# Altium PCB AD-FMComms3_revA.PcbDoc (part 2 of 5)
Units mil, origin at the board's own origin, x right, y up, seen from the top; angles counter-clockwise.
Board outline 3311.81 x 2716.54 mil, 10 copper layers (TOP, L2_GND, L3_PWR, L4_GND, L5_SIG, L6_SIG, L7_GND, L8_PWR, L9_GND, BOTTOM), stack 60.05 mil thick; 211 components, 138 nets, 808 pads, 812 vias.
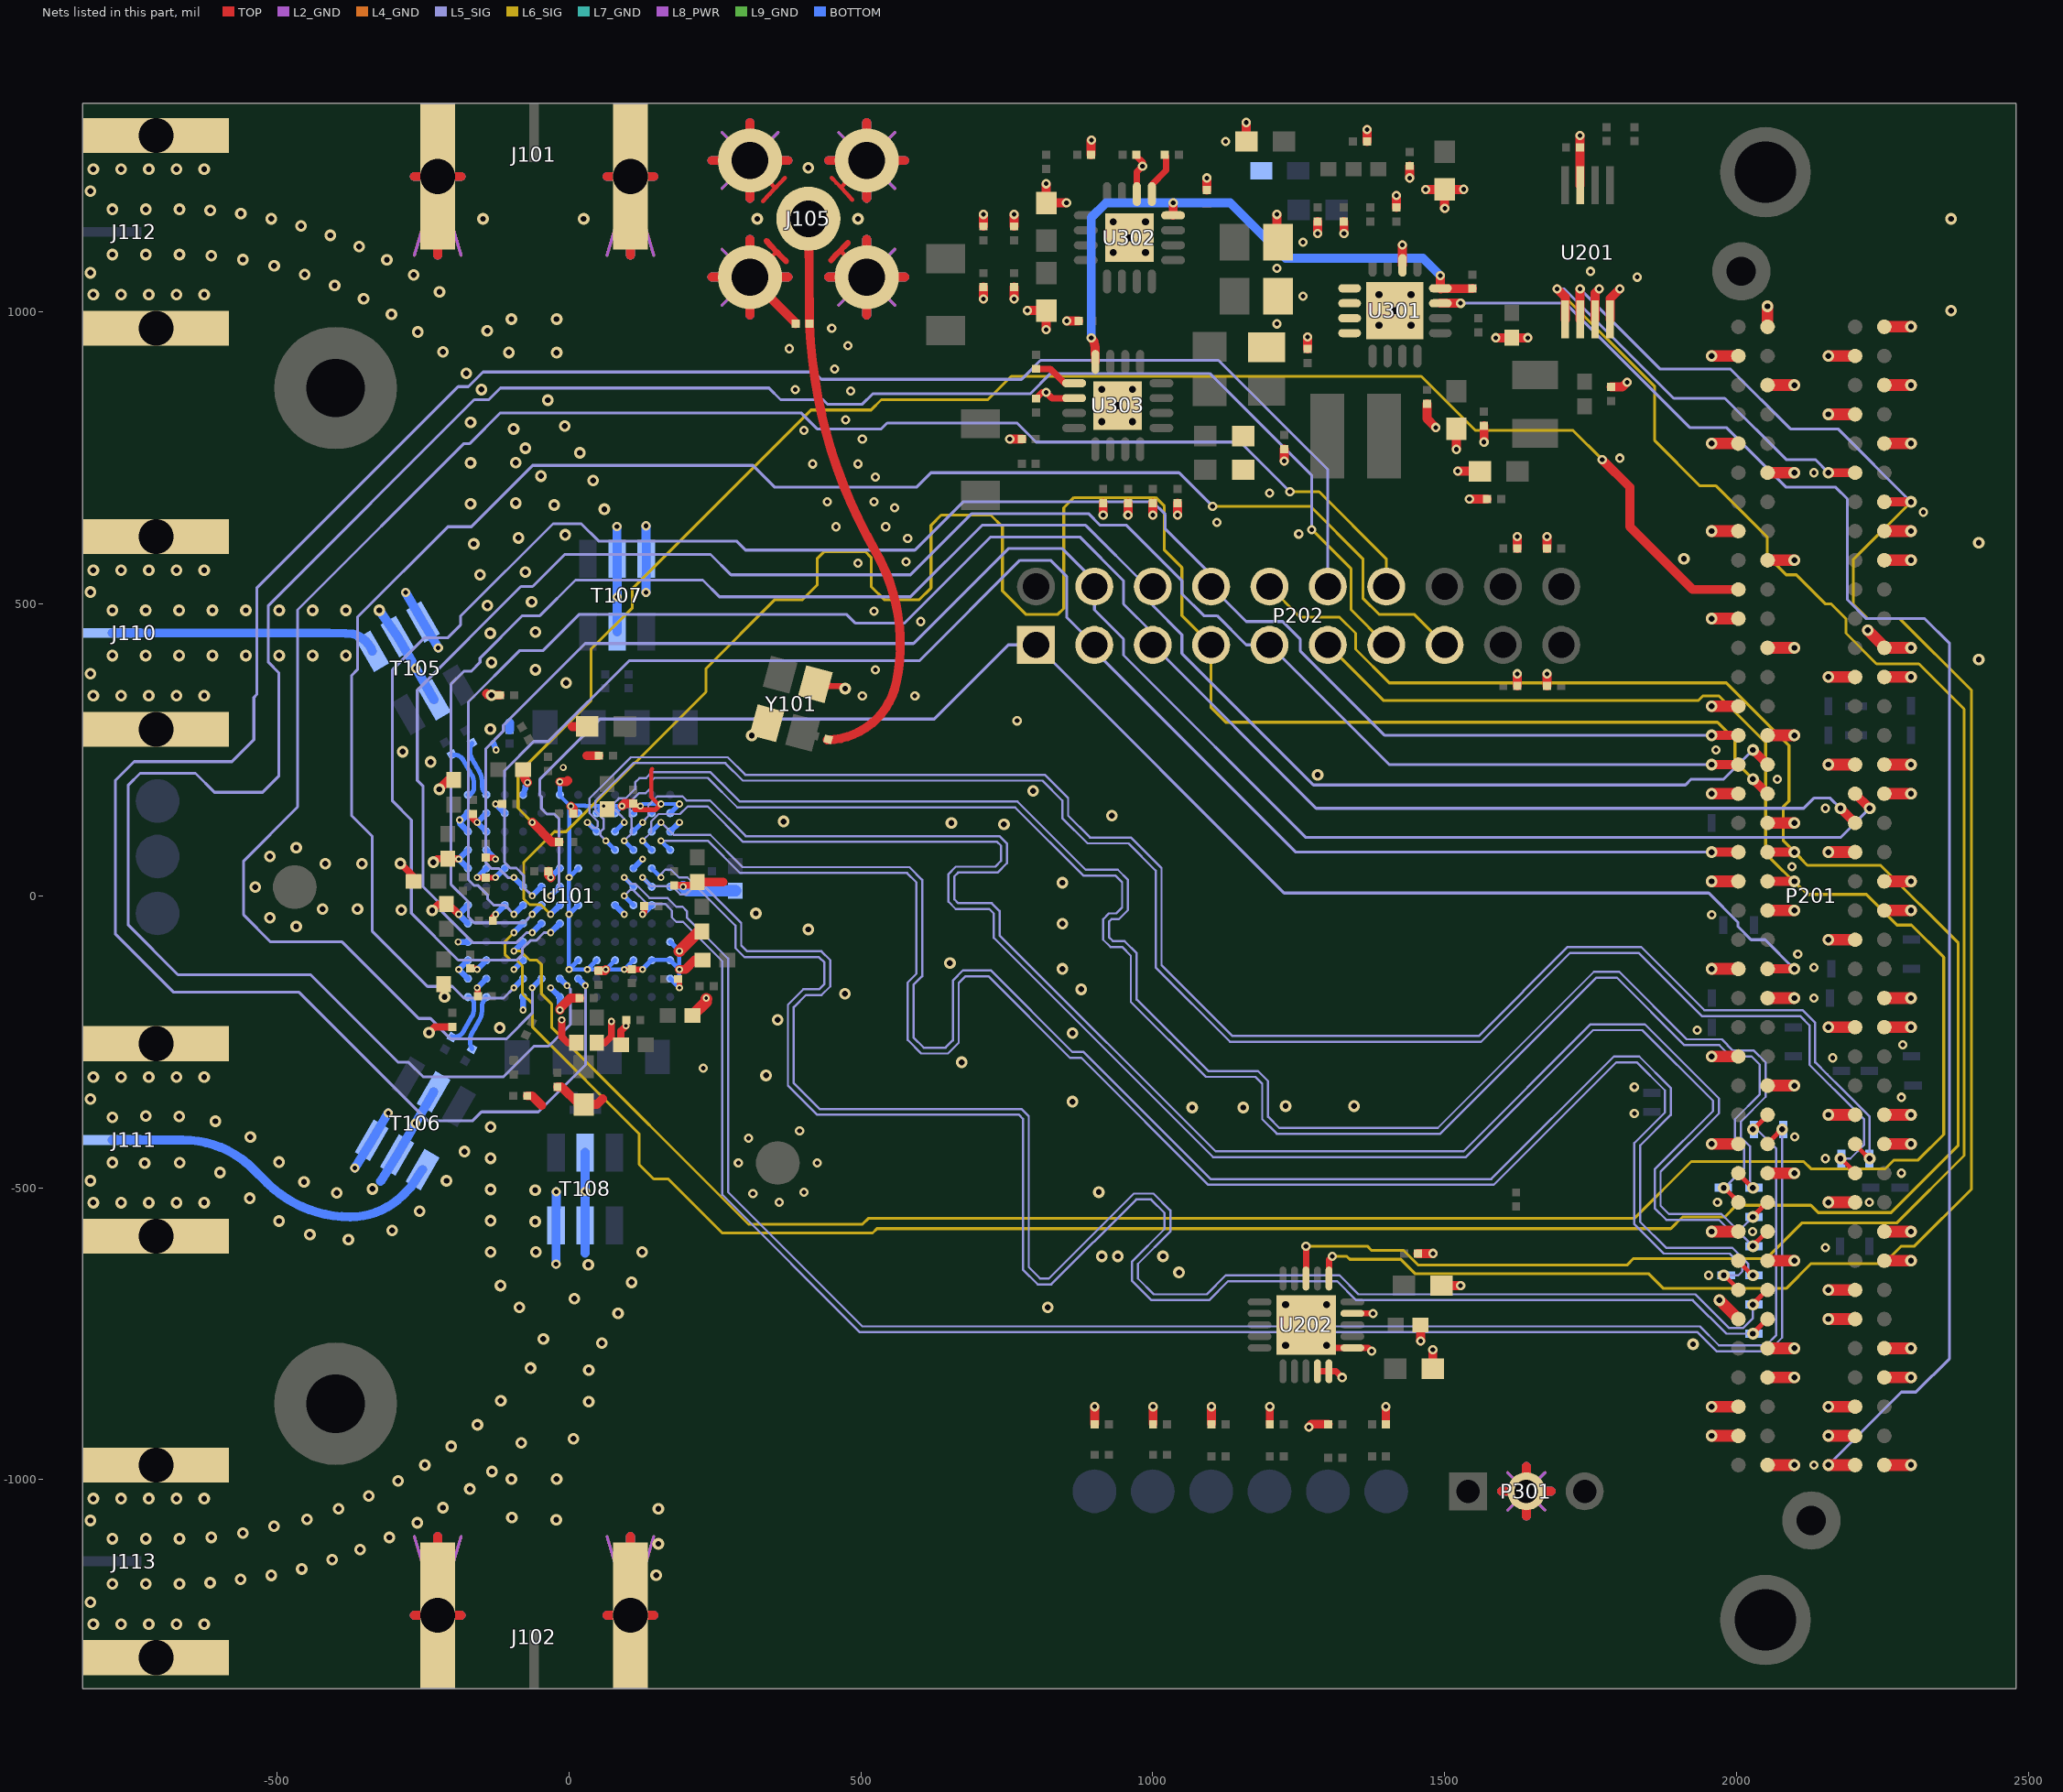
[diagram p10: the nets of this part, all layers, seen from the top]

## Via types
v1: diameter 20, hole 10, TOP to BOTTOM, 458 vias
v2: diameter 16, hole 8, TOP to BOTTOM, 196 vias
v3: diameter 12, hole 6, TOP to BOTTOM, 135 vias
v4: diameter 28, hole 12, TOP to BOTTOM, 19 vias
v5: diameter 210, hole 160, TOP to BOTTOM, 2 vias
v6: diameter 155, hole 105, TOP to BOTTOM, 2 vias

## Nets (pads, with @x,y where several pads share a name; then routed paths per layer and width w, separated by ;. In a path a pad name is that pad's centre, name@x,y a point inside that pad or via, vN(x,y) a via of type N, cw(c..) or ccw(c..) an arc to the next point about the centre after c; other vN are vias at no path point) (continued)
CTRL_OUT0: P201.G21 P202.11 U101.D4 | length 4533.9
  TOP w15.5: P201.G21@2053.27,25 v1(2099.09,25)
  L6_SIG w4.9: v3(-94.49,-94.49) -83.01,-94.49 -67.5,-110 -55,-110 -47.5,-117.5 -47.5,-167.5 -30,-185 -30,-225 307.5,-562.5 502.5,-562.5 512.5,-552.5 1825,-552.5 1922.5,-455 2115,-455 2127.5,-467.5 2255,-467.5 2270,-452.5 2311.25,-452.5 2355,-408.75 2355,-105 2299.89,-49.89 2275.1,-49.89 2222.71,2.5 2121.59,2.5 2113.29,10.8 ; P202.11@1300,430 1395,335 1935,335 1942.5,342.5 1970,342.5 2050,262.5 2050,72.5 2111.7,10.8 2113.29,10.8 ; v1(2099.09,25) 2113.29,10.8
CTRL_OUT1: P201.G22 P202.10 U101.E4 | length 4852
  TOP w15.5: P201.G22@2053.27,75 v1(2099.09,75)
  L6_SIG w4.9: v3(-94.49,-62.99) -110,-78.5 -110,-100 -100,-110 -90,-110 -80,-120 -80,-167.5 -62.5,-185 -62.5,-225 120,-407.5 120,-460 145,-485 170,-485 262.5,-577.5 520,-577.5 527.5,-570 1887.5,-570 1907.5,-550 1980,-550 2000,-530 2127.5,-530 2140,-542.5 2265,-542.5 2380,-427.5 2380,-80.72 2246.78,52.5 2121.59,52.5 2109.54,64.55 ; P202.10@1200,530 1252.5,477.5 1320,477.5 1347.5,450 1347.5,422.5 1405,365 1982.5,365 2090,257.5 2090,162.5 2080,152.5 2080,95 2109.54,65.46 2109.54,64.55 ; v1(2099.09,75) 2109.54,64.55
CTRL_OUT2: P201.H25 P202.9 U101.E5 | length 3189.8
  TOP w15.5: v1(1957.45,225) P201.H25@2003.27,225
  L5_SIG w4.9: v3(-62.99,-62.99) -72.99,-62.99 -90,-80 -165,-80 -217.06,-27.94 -217.06,-17.5 -250,15.44 -250,187.66 -260,197.66 -260,352.5 -82.5,530 -62.5,530 -7.5,585 242.5,585 277.5,550 585,550 690,655 890,655 910,635 955,635 1050,540 1050,517.5 1087.5,480 1110.04,480 1160.04,430 P202.9@1200,430 1405,225 v1(1957.45,225)
CTRL_OUT3: P201.H26 P202.8 U101.E6 | length 3402.6
  TOP w15.5: v1(1957.45,275) P201.H26@2003.27,275
  L5_SIG w4.9: v3(-31.5,-62.99) -42.99,-62.99 -56.44,-76.44 -66.44,-76.44 -80,-90 -80,-100 -90,-110 -189.93,-110 -270.13,-29.8 -270.13,130.13 -302.5,162.5 -302.5,387.5 -248,442 -208,442 -186,464 -186,479 -27.5,637.5 21,637.5 50.5,608 287,608 302.5,592.5 592.5,592.5 675,675 1000,675 1021.54,653.46 1021.54,628.46 1100,550 P202.8@1100,530 1160,470 1222.5,470 1252.5,440 1252.5,420 1397.5,275 v1(1957.45,275)
CTRL_OUT4: P201.G24 P202.7 U101.F6 | length 3435.1
  TOP w15.5: v1(2028.27,200) P201.G24@2053.27,175
  L6_SIG w4.9: v3(-31.5,-31.5) -48,-15 -67.5,-15 -77.5,-5 -77.5,57.5 -25,110 -5,110 234.5,349.5 234.5,389.5 352.5,507.5 400,507.5 425,532.5 425,577.5 437.5,590 507.5,590 517.5,580 517.5,530 540,507.5 600,507.5 620,527.5 620,635 637.5,652.5 722.5,652.5 742.5,632.5 742.5,522.5 782.5,482.5 837.5,482.5 847.5,492.5 847.5,665 865,682.5 1005,682.5 1020,667.5 1020,592.5 1050,562.5 1050,480 P202.7@1100,430 1100,322.5 1125,297.5 1967.5,297.5 1997.5,267.5 1997.5,230.77 v1(2028.27,200)
  BOTTOM w10: v3(-31.5,-31.5) U101.F6@-15.75,-15.75
CTRL_OUT5: P201.G25 P202.6 U101.F5 | length 3184.6
  TOP w15.5: v1(2028.27,250) P201.G25@2053.27,225
  L5_SIG w4.9: v3(-62.99,-31.5) -77.49,-46 -162.5,-46 -172.5,-36 -172.5,-10 -202.5,20 -202.5,362.5 -180,385 -167.5,385 -152.5,400 -152.5,407.5 -80,480 -50,480 11,541 229,541 257.5,512.5 585,512.5 707.5,635 885,635 990,530 P202.6@1000,530 1000,497.5 1050,447.5 1050,415.32 1275.27,190.05 1912.5,190.05 1922.45,200 1978.27,200 v1(2028.27,250)
CTRL_OUT6: P201.D23 P202.5 U101.F4 | length 3169.1
  TOP w15.5: v1(2178.27,150) P201.D23@2203.27,125
  L5_SIG w4.9: -170.93,25.92 -163.06,18.05 -156.5,18.05 -139.44,0.99 -139.44,-5.58 -131.57,-13.45 -129.28,-15.72 -110.27,-15.72 v3(-94.49,-31.5) ; -170.93,25.93 -172.5,27.5 -172.5,332.5 -85,420 -45,420 17.5,482.5 475,482.5 490,467.5 575,467.5 722.5,615 875,615 950,540 950,500 1000,450 P202.5@1000,430 1280,150 2115,150 2132.5,167.5 2160.77,167.5 v1(2178.27,150)
CTRL_OUT7: P201.D24 P202.4 U101.G4 | length 3101.5
  TOP w15.5: P201.D24@2203.27,175 v1(2228.27,150)
  L5_SIG w4.9: v3(-94.49,31.5) -104.72,31.5 -120,46.78 -132.5,46.78 -142.5,56.78 -142.5,252.5 -112.5,282.5 -112.5,292.5 27.5,432.5 590,432.5 752.5,595 845,595 900,540 P202.4@900,530 900,490 950,440 950,412.5 1262.5,100 2178.27,100 v1(2228.27,150)
  BOTTOM w10: v3(-94.49,31.5) U101.G4@-78.74,15.75
DATA_CLK_N: P201.G7 TP213.1 U101.H11 | length 2989.6
  TOP w8: v1(2028.27,-700) 2032.27,-693.54 2033.91,-693.54 2052.45,-675 P201.G7@2053.27,-675
  L5_SIG w3.8: v3(157.47,31.5) 157.47,37.47 165,45 175,45 188.5,31.5 202.78,31.5 212.5,21.78 226.65,21.78 295,-46.57 295,-85 305,-95 432.5,-95 447.5,-110 447.5,-155 432.5,-170 405.5,-170 385,-190.5 385,-320.85 429.15,-365 775,-365 787.5,-377.5 787.5,-635.85 807.07,-655.42 822.08,-655.42 967.5,-510 1001.2,-510 1030,-538.8 1030,-575 974.57,-630.43 974.57,-655.42 1001.65,-682.5 1092.5,-682.5 1125,-650 1320,-650 1352.5,-682.5 1929.28,-682.5 1986.78,-740 2011.83,-740 2028.27,-723.56 v1(2028.27,-700)
  BOTTOM w8: U101.H11@141.73,47.24 v3(157.47,31.5)
DATA_CLK_P: P201.G6 TP212.1 U101.G11 | length 2987.6
  TOP w8: v1(2028.27,-750) 2032.27,-743.54 2033.91,-743.54 2052.45,-725 P201.G6@2053.27,-725
  L5_SIG w3.8: v3(125.99,31.49) 140.69,16.78 176.22,16.78 190.15,2.85 200.85,2.85 209.78,11.78 222.5,11.78 285,-50.72 285,-89.15 300.85,-105 428.35,-105 437.5,-114.15 437.5,-150.85 428.35,-160 401.35,-160 375,-186.35 375,-325 425,-375 770.85,-375 777.5,-381.65 777.5,-640 802.92,-665.42 826.23,-665.42 971.65,-520 997.05,-520 1020,-542.95 1020,-570.85 964.57,-626.28 964.57,-659.57 997.5,-692.5 1096.65,-692.5 1129.15,-660 1315.85,-660 1348.35,-692.5 1925.13,-692.5 1982.63,-750 v1(2028.27,-750)
  BOTTOM w8: v3(125.99,31.49) U101.G11@141.73,15.75
EN_AGC: P201.H22 P202.3 U101.G5 | length 2779.5
  TOP w15.5: v1(1957.45,75) P201.H22@2003.27,75
  L5_SIG w4.9: v3(-62.99,0) -77.5,14.51 -77.5,35 -90.25,47.75 -100.5,47.75 -110.5,57.75 -110.5,214.5 -60.5,264.5 -35.5,264.5 102.95,402.95 600.45,402.95 772.5,575 825,575 852.5,547.5 852.5,477.5 P202.3@900,430 900,420 1245,75 v1(1957.45,75)
  BOTTOM w10: v3(-62.99,0) U101.G5@-47.24,15.75
ENABLE: P201.G18 P202.1 U101.G6 | length 2773.3
  TOP w15.5: P201.G18@2053.27,-125 v1(2099.09,-125)
  L5_SIG w4.9: v3(-31.5,0) -17.5,14 -17.5,132.5 -25,140 -37.5,140 -47.5,150 -47.5,170 -50,172.5 -50,200 53,303 625.5,303 752.5,430 P202.1@800,430 1225,5 1952.5,5 2002.5,-45 2002.5,-52.5 2025,-75 2049.09,-75 v1(2099.09,-125)
  BOTTOM w10: v3(-31.5,0) U101.G6@-15.75,15.75
FB_CLK_N: P201.G13 TP217.1 U101.G10 | length 2985.2
  TOP w8: v1(2028.27,-400) 2034.73,-396 2034.73,-394.36 2053.27,-375.82 P201.G13@2053.27,-375
  L5_SIG w3.8: v3(94.49,31.5) 105.24,20.75 113.4,20.75 137.9,-3.75 168.75,-3.75 183.16,-18.17 183.59,-18.6 194.33,-18.6 201.88,-26.15 201.88,-36.88 272.5,-107.5 272.5,-507.5 502.5,-737.5 1937.5,-737.5 1970,-770 2050.85,-770 2068.27,-752.58 2068.27,-433.27 2035,-400 v1(2028.27,-400)
  BOTTOM w8: v3(94.49,31.5) U101.G10@110.24,15.75
FB_CLK_P: P201.G12 TP216.1 U101.F10 | length 2981.8
  TOP w8: P201.G12@2053.27,-425 2053.27,-424.18 2071.81,-405.64 2071.81,-404 v1(2078.27,-400)
  L5_SIG w3.8: v3(94.49,0) 105.24,10.75 109.25,10.75 133.75,-13.75 164.6,-13.75 176.07,-25.23 176.07,-36.85 183.62,-44.4 195.25,-44.4 262.5,-111.65 262.5,-511.65 498.35,-747.5 1933.35,-747.5 1965.85,-780 2055,-780 2078.27,-756.73 v1(2078.27,-400)
  BOTTOM w8: v3(94.49,0) U101.F10@110.24,-15.75
GA0: P201.C34 U201.2 U202.11 | length 3379.1
  TOP w11: U202.11@1301.87,-655.5 1301.87,-623.13 v2(1307.5,-617.5)
  TOP w15.5: U201.2@1732.2,987.54 v2(1732.2,1039.7) ; P201.C34@2253.27,675 v1(2299.09,675)
  L5_SIG w4.9: v2(1732.2,1039.7) 1869.4,902.5 1990,902.5 2092.5,800 2174.09,800 v1(2299.09,675)
  L6_SIG w4.9: v2(1307.5,-617.5) 1332.5,-617.5 1337.5,-622.5 1425,-622.5 1450,-647.5 1850,-647.5 1875,-672.5 2085,-672.5 2127.5,-630 2252.5,-630 2282.5,-600 2305,-600 2402.5,-502.5 2402.5,352.5 2280,475 2225,475 2200,500 2200,575.91 v1(2299.09,675)
GA1: P201.D35 U201.1 U202.13 | length 3822.3
  TOP w11: U202.13@1262.5,-655.5 v2(1262.5,-600)
  TOP w15.5: v2(1692.5,1040) 1706.61,1025.89 U201.1@1706.61,987.54 ; v1(2157.45,725) P201.D35@2203.27,725
  L5_SIG w4.9: v2(1692.5,1040) 1705,1040 1892.5,852.5 1980,852.5 2085,747.5 2134.95,747.5 v1(2157.45,725)
  L6_SIG w4.9: v2(1262.5,-600) 1367.5,-600 1375,-607.5 1430,-607.5 1455,-632.5 1812.5,-632.5 1823.75,-621.25 2051.25,-621.25 2112.5,-560 2275,-560 2390,-445 2390,320 2312.5,397.5 2240,397.5 2187.5,450 2187.5,475 2162.5,500 2152.5,500 2102.5,550 2085,550 2052.5,582.5 2052.5,615 1965,702.5 1937.5,702.5 1860,780 1860,872.5 v2(1692.5,1040)
GND_POWER: C104.1 C105.2 C116.2 C117.2 C118.1 C119.2 C120.1 C121.2 C201.2 C202.1 C203.1 C204.1 C211.1 C212.2 C213.2 C214.2 C301.2 C302.2 C303.2 C304.2 C305.1 C306.2 C307.2 C308.1 C309.1 C310.2 C311.2 C312.2 C313.2 C314.2 C315.2 C316.2 C317.2 C318.2 C319.2 C320.2 C321.2 C322.2 C323.2 C324.2 C325.2 C326.2 C327.2 C328.2 C329.2 C330.2 C331.2 C332.2 C333.2 C334.2 C335.2 C336.2 C337.2 C338.2 C339.2 C340.2 C341.2 C342.2 C343.2 C344.2 C345.2 C346.2 C347.2 C348.2 C354.2 C355.2 C356.2 C357.2 C358.2 C359.2 C360.2 C361.2 C362.2 C363.2 C364.2 C365.2 DS21.C J101.2 J101.3 J101.4 J101.5 J102.2 J102.3 J102.4 J102.5 J105.2 J105.3 J105.4 J105.5 J110.2 J110.3 J110.4 J110.5 J111.2 J111.3 J111.4 J111.5 J112.2 J112.3 J112.4 J112.5 J113.2 J113.3 J113.4 J113.5 P201.C1 P201.C4 P201.C5 P201.C8 P201.C9 P201.C12 P201.C13 P201.C16 P201.C17 P201.C20 P201.C21 P201.C24 P201.C25 P201.C28 P201.C29 P201.C32 P201.C33 P201.C36 P201.C38 P201.C40 P201.D2 P201.D3 P201.D6 P201.D7 P201.D10 P201.D13 P201.D16 P201.D19 P201.D22 P201.D25 P201.D28 P201.D37 P201.D39 P201.G1 P201.G4 P201.G5 P201.G8 P201.G11 P201.G14 P201.G17 P201.G20 P201.G23 P201.G26 P201.G29 P201.G32 P201.G35 P201.G38 P201.G40 P201.H2 P201.H3 P201.H6 P201.H9 P201.H12 P201.H15 P201.H18 P201.H21 P201.H24 P201.H27 P201.H30 P201.H33 P201.H36 P201.H39 P301.2 R101.1 R102.1 R110.1 R111.1 R125.2 R201.2 R202.2 R203.2 R204.2 R206.1 R214.1 R218.1 R220.1 R222.1 R224.1 R302.1 R308.1 R312.1 T105.1 T105.2 T105.5 T106.1 T106.2 T106.5 T107.1 T107.2 T107.5 T108.1 T108.2 T108.5 U101.A4 U101.A6 U101.B1 U101.B2 U101.B12 U101.C1 U101.C2 U101.C4 U101.C7 U101.C8 U101.C9 U101.C10 U101.C11 U101.C12 U101.D1 U101.D12 U101.E1 U101.F1 U101.F3 U101.F7 U101.F9 U101.F11 U101.G12 U101.H1 U101.H2 U101.H3 U101.H6 U101.H7 U101.H10 U101.J1 U101.J2 U101.K1 U101.K2 U101.K12 U101.L1 U101.L2 U101.L3 U101.L7 U101.L8 U101.L9 U101.L10 U101.L11 U101.L12 U101.M4 U101.M6 U201.3 U201.4 U201.7 U202.4 U202.5 U202.6 U202.9 U202.PAD U301.2 U301.5 U301.6 U301.7 U301.8 U301.PAD U302.6 U302.PAD U303.6 U303.PAD Y101.2 Y101.4 | length 26431.7
  TOP w7: 142.5,217.5 140.49,215.49 140.49,169.51 v3@152.5,157.5 ; v3(235,-175) 235,-176.41 v3@235.34,-176.75 ; J105.4@310,1060 cw(c1098.1,271.9) 355.9,1103.37 ; J105.3@310,1260 cw(c-101.67,848.33) 352.76,1212.25 ; 332.5,1190 cw(c971.24,628.74) 352.76,1212.25 ; 370,1230 ccw(c971.26,628.76) 352.76,1212.25 ; 450,1230 cw(c-76.27,703.77) 465.95,1213.55 ; 464.58,1105.48 ccw(c34938.39,35488.39) J105.5@510,1060 ; 485,1192.5 ccw(c-76.24,703.73) 465.95,1213.55 ; J105.2@510,1260 ccw(c1363.75,406.25) 465.95,1213.55
  TOP w9: 112.5,147.5 147.5,147.5 v3(157.48,157.48)
  TOP w10: C325.2@-169.25,-124.25 -159.21,-124.25 v3(-157.48,-125.98) ; v3(-157.48,-157.48) -156.25,-158.71 C202.1@-156.25,-172.25 ; v3(-157.48,31.5) -157.26,31.28 C116.2@-142.5,31.28 -126.2,31.28 v3(-125.99,31.49) ; C329.2@-142.5,65.5 -128.5,65.5 v3(-125.99,62.99) ; C322.2@-130.5,-42.5 -130.5,-36.02 v3(-125.98,-31.5) ; v3(-125.98,157.48) C333.2@-114.5,157.5 ; v3(94.5,-125.99) 107.01,-125.99 C321.2@107.5,-125.5 107.99,-125.99 v3(125.99,-125.99) ; v3(97.5,-222.5) 98,-223 C337.2@98,-212.5 ; v3(125.99,-31.49) 129,-28.48 C330.2@129,-17.5 ; C104.1@187,-142.5 188.98,-144.48 v3(188.98,-157.48) ; v1(312.99,274.87) 319.65,278.72 Y101.4@331.33,292.33 ; 338.06,1122.25 ccw(c1262.65,1978.04) 355.9,1103.37 ccw(c1262.68,1978.01) 371.81,1087.17 ; Y101.4@339.05,295.59 334.58,295.59 Y101.4@331.33,292.34 ; Y101.2@422.33,362.95 426.04,359.24 452.29,359.24 ; Y101.2@427.13,363.92 432.93,364.43 452.29,359.24 ; 448.96,1089 cw(c1268.46,327.91) 464.58,1105.48 cw(c1268.49,327.95) 477.64,1118.76 ; v1(473.11,355.19) 469.06,359.24 452.29,359.24 ; U202.9@1342,-715.31 v2(1377.19,-715.31) ; Y101.4@331.33,292.33 335.33,292.33 Y101.4@331.33,292.34
  TOP w11: C340.2@800,852 810.5,862.5 v2(817.5,862.5) 827.2,852.8 U303.6@865.2,852.8 ; C311.2@972,1270 972,1267.5 982.5,1257 v2(982.5,1250) 972.8,1240.3 U302.6@972.8,1202.3 ; U202.PAD@1262.5,-735 v4(1297.5,-770) 1301.87,-774.37 U202.6@1342,-774.37 1369.37,-774.37 v2(1375,-780) ; U202.4@1282.19,-814.5 U202.5@1301.87,-814.5 1314,-814.5 v2(1324.5,-825)
  TOP w12: v1(-289.01,55.59) -266.25,32.83 C117.2@-266.25,25 ; v1(-239.89,-234.13) -230.26,-224.5 C203.1@-200,-224.5 ; v1(-234.51,-24.73) -223.53,-13.75 C323.2@-210,-13.75 -206.73,-13.75 v3(-188.98,-31.5) ; v1(-232.36,57.74) -226.35,63.75 C328.2@-207.5,63.75 -189.74,63.75 v3(-188.98,62.99) ; C324.2@-215,-151.25 -215,-171.53 v1(-213.36,-173.17) ; C326.2@-165,140.5 -165,133.52 v3(-157.46,125.98) ; v3(-12.5,-212.5) -12.5,-241.5 -2.75,-251.25 C358.2@12.5,-251.25 ; C361.2@47.5,-251.25 61.75,-251.25 72.5,-240.5 v3(72.5,-215) ; C336.2@88.75,-255 88.75,-231.25 v3(97.5,-222.5) ; C356.2@180,18 193.25,18 v3(195.5,15.75) 197.75,18 214.25,18 C357.2@220,23.75
  TOP w14: R224.1@1200.5,-905 v2(1200.5,-875) ; R222.1@1399.5,-905 v2(1399.5,-875)
  TOP w15.5: -265.02,-1232.5 J102.4@-225,-1232.5 ; -265.02,1232.5 J101.2@-225,1232.5 ; -225,-1097.48 J102.4@-225,-1232.5 ; -225,1097.48 J101.2@-225,1232.5 ; v1(-222.5,182.5) -206.25,198.75 C327.2@-197.5,198.75 ; -184.98,-1232.5 J102.4@-225,-1232.5 ; -184.98,1232.5 J101.2@-225,1232.5 ; v1@-141.3,346.72 -138.33,343.75 v1(-133,343.75) R101.1@-118.25,343.75 ; C332.2@-78.75,216.25 ccw(c-42.96,216.25) v3(-71.12,194.16) ; R102.1@-71.75,-342.5 -63.5,-342.5 -47,-359 ; R111.1@-35.5,42.5 -35.5,35.49 v3(-31.5,31.49) ; C120.1@-20,-327 -13,-327 17.25,-357.25 C121.2@22.25,-357.25 ; v3(-15.75,-195.5) -15.75,-192.71 1.96,-175 C360.2@18,-175 ; v3(-15.76,195.5) -4.5,195.5 -2.5,197.5 ; v3(2.98,153.74) 7,149.72 C204.1@7,141.25 ; 5.26,290.26 C119.2@31,290.26 ; C121.2@25,-357.25 47.75,-357.25 57.5,-347.5 ; 30.26,240.26 C118.1@51.25,240.26 ; C359.2@50,-128 60.99,-128 v3(63,-125.99) ; 64.98,-1232.5 J102.2@105,-1232.5 ; 64.98,1232.5 J101.4@105,1232.5 ; v3(90.75,154) 94.75,158 C334.2@110,158 ; 105,-1097.48 J102.2@105,-1232.5 ; 105,1097.48 J101.4@105,1232.5 ; 145.02,-1232.5 J102.2@105,-1232.5 ; 145.02,1232.5 J101.4@105,1232.5 ; v3(188.98,-125.98) 199.02,-125.98 215,-110 C105.2@228.75,-110 ; C320.2@211.25,-205 C320.2@213,-205 ; C357.2@220,23.75 263.75,23.75 ; 244.98,1060 J105.4@310,1060 ; 244.98,1260 J105.3@310,1260 ; 310,994.98 J105.4@310,1060 ; 310,1125.02 J105.4@310,1060 ; 310,1194.98 J105.3@310,1260 ; 310,1325.02 J105.3@310,1260 ; 375.02,1060 J105.4@310,1060 ; 375.02,1260 J105.3@310,1260 ; R110.1@388,980 388,982 J105.4@310,1060 ; 444.98,1060 J105.5@510,1060 ; 444.98,1260 J105.2@510,1260 ; 510,994.98 J105.5@510,1060 ; 510,1125.02 J105.5@510,1060 ; 510,1194.98 J105.2@510,1260 ; 510,1325.02 J105.2@510,1260 ; 575.02,1060 J105.5@510,1060 ; 575.02,1260 J105.2@510,1260 ; v2(710,1022.5) C339.2@710,1043 ; C314.2@710,1147 v2(710,1167.5) ; v2(755,782.5) R308.1@775.5,782.5 ; v2(762.5,1022.5) C338.2@762.5,1043 ; C315.2@762.5,1147 v2(762.5,1167.5) ; v2(785,1002.75) C313.2@817.5,1002.75 v2(817.5,970) ; v2(817.5,1220) C312.2@817.5,1187.25 v2(852.25,1187.25) ; v2(852.5,985) C310.2@873,985 ; R312.1@894.5,1270 894.5,1294.5 v2(895,1295) ; R220.1@900.5,-905 v2(900.5,-875) ; v2(915,652.5) C346.2@915,673 ; v2(957.5,652.5) C343.2@957.5,673 ; v2(1000,652.5) C345.2@1000,673 ; R218.1@1000.5,-905 v2(1000.5,-875) ; v2(1042.5,652.5) C344.2@1042.5,673 ; C318.2@1092.5,1209.5 v2(1092.5,1230) ; R214.1@1100.5,-905 v2(1100.5,-875) ; v2(1160,1325) 1160.25,1324.75 C363.2@1160.25,1292.5 ; v2(1212.5,1167.5) 1212.5,1122.5 C309.1@1215,1120 ; v2(1225,745) C306.2@1225,765.5 ; C307.2@1265,937 v2(1265,957.5) ; v2(1267.5,-910) 1272.5,-905 R206.1@1300.5,-905 ; v2(1282.5,1135) C317.2@1282.5,1155.5 ; v2(1327.5,1135) C316.2@1327.5,1155.5 ; C348.2@1367,1292.5 v2(1367,1313) ; R302.1@1417.5,1179.5 v2(1417.5,1200) ; U301.2@1427.8,1080.22 v2(1427.8,1115) ; v2(1440,1230) C347.2@1440,1250.5 ; C211.1@1454.5,-612.5 v2(1480,-612.5) ; v2(1458.75,-762.5) C212.2@1458.75,-735 ; v2(1467.5,1210) 1467.75,1210.25 C362.2@1500,1210.25 ; C302.2@1470,843 1470,817.5 v2(1485,802.5) ; C214.2@1479.75,-810 v2(1479.75,-777.5) ; C213.2@1494.75,-667.5 v2(1527.5,-667.5) ; v2(1500.25,1177.75) 1500,1178 C362.2@1500,1210.25 ; v2(1520,765) C301.2@1520,800.25 ; v2(1522.5,727.5) C365.2@1560.25,727.5 ; v2(1532.5,1210.5) 1532.25,1210.25 C362.2@1500,1210.25 ; v2(1542.5,680) C364.2@1573,680 ; v2(1567.5,777.5) C303.2@1567.5,805.5 ; v2(1587.5,956.25) C304.2@1615,956.25 v2(1642.5,956.25) ; 1597.48,-1020 P301.2@1640,-1020 ; R201.2@1624.5,360 v2(1624.5,380.5) ; R202.2@1624.5,595 v2(1624.5,615.5) ; 1640,-1062.52 P301.2@1640,-1020 ; 1640,-977.48 P301.2@1640,-1020 ; R203.2@1675.5,360 v2(1675.5,380.5) ; R204.2@1675.5,595 v2(1675.5,615.5) ; 1682.52,-1020 P301.2@1640,-1020 ; v2(1732,1302.5) C201.2@1732,1282.5 1732.2,1282.3 U201.7@1732.2,1217.46 ; U201.3@1757.8,987.54 1757.8,1032.8 v2(1765,1040) ; U201.4@1783.39,987.54 1783.39,1023.39 v2(1800,1040) ; C319.2@1785,872 1804.5,872 v2(1812.5,880)
  TOP w20: v3(188.98,-94.49) 222.22,-61.25 C331.2@227.5,-61.25 ; C320.2@211.25,-205 235,-181.25 235,-176.75 v3@235.34,-176.75 ; v1(1957.45,-925) P201.H2@2003.27,-925 ; v1(1957.45,-875) P201.H3@2003.27,-875 ; v1(1957.45,-575) P201.H9@2003.27,-575 ; v1(1957.45,-425) P201.H12@2003.27,-425 ; v1(1957.45,-275) P201.H15@2003.27,-275 ; v1(1957.45,-125) P201.H18@2003.27,-125 ; v1(1957.45,25) P201.H21@2003.27,25 ; v1(1957.45,175) P201.H24@2003.27,175 ; v1(1957.45,325) P201.H27@2003.27,325 ; v1(1957.45,475) P201.H30@2003.27,475 ; v1(1957.45,625) P201.H33@2003.27,625 ; v1(1957.45,775) P201.H36@2003.27,775 ; v1(1957.45,925) P201.H39@2003.27,925 ; v1(1970.87,-692.6) P201.H6@2003.27,-725 ; P201.G1@2053.27,-975 v1(2099.09,-975) ; P201.G4@2053.27,-825 v1(2099.09,-825) ; P201.G5@2053.27,-775 v1(2099.09,-775) ; P201.G8@2053.27,-625 v1(2099.09,-625) ; P201.G11@2053.27,-475 v1(2099.09,-475) ; P201.G14@2053.27,-325 v1(2099.09,-325) ; P201.G17@2053.27,-175 v1(2099.09,-175) ; P201.G20@2053.27,-25 v1(2099.09,-25) ; P201.G23@2053.27,125 v1(2099.09,125) ; P201.G26@2053.27,275 v1(2099.09,275) ; P201.G29@2053.27,425 v1(2099.09,425) ; P201.G32@2053.27,575 v1(2099.09,575) ; P201.G35@2053.27,725 v1(2099.09,725) ; P201.G38@2053.27,875 v1(2099.09,875) ; P201.G40@2053.27,975 v1(2053.27,1010) ; v1(2157.45,-925) P201.D2@2203.27,-925 ; v1(2157.45,-875) P201.D3@2203.27,-875 ; v1(2157.45,-725) P201.D6@2203.27,-725 ; v1(2157.45,-675) P201.D7@2203.27,-675 ; v1(2157.45,-525) P201.D10@2203.27,-525 ; v1(2157.45,-375) P201.D13@2203.27,-375 ; v1(2157.45,-225) P201.D16@2203.27,-225 ; v1(2157.45,-75) P201.D19@2203.27,-75 ; v1(2157.45,75) P201.D22@2203.27,75 ; v1(2157.45,225) P201.D25@2203.27,225 ; v1(2157.45,375) P201.D28@2203.27,375 ; v1(2157.45,825) P201.D37@2203.27,825 ; v1(2157.45,925) P201.D39@2203.27,925 ; v1(2225,455) 2253.27,426.73 P201.C29@2253.27,425 v1(2299.09,425) ; P201.C1@2253.27,-975 v1(2299.09,-975) ; P201.C4@2253.27,-825 v1(2299.09,-825) ; P201.C5@2253.27,-775 v1(2299.09,-775) ; P201.C8@2253.27,-625 v1(2299.09,-625) ; P201.C9@2253.27,-575 v1(2299.09,-575) ; P201.C12@2253.27,-425 v1(2299.09,-425) ; P201.C13@2253.27,-375 v1(2299.09,-375) ; P201.C16@2253.27,-225 v1(2299.09,-225) ; P201.C17@2253.27,-175 v1(2299.09,-175) ; P201.C20@2253.27,-25 v1(2299.09,-25) ; P201.C21@2253.27,25 v1(2299.09,25) ; P201.C24@2253.27,175 v1(2299.09,175) ; P201.C25@2253.27,225 v1(2299.09,225) ; P201.C28@2253.27,375 v1(2299.09,375) ; P201.C32@2253.27,575 v1(2299.09,575) ; P201.C33@2253.27,625 v1(2299.09,625) ; P201.C36@2253.27,775 v1(2299.09,775) ; P201.C38@2253.27,875 v1(2299.09,875) ; P201.C40@2253.27,975 v1(2299.09,975)

## Text inside footprints (layer, text, board x,y; h text height)
TP237: PIN_NUMBER "1" at 2289.09,325.82 h25; ASSEMBLY_BOTTOM "TP-108" at 2257.89,284.52 h25 r270; ASSEMBLY_BOTTOM "UPN" at 2229.39,378.52 h25 r270; PAD_STACK_NAME "TPSM70X135" at 2090.69,471.42 h50; PAD_STACK_NAME "14X30" at 2206.59,160.22 h50; DISPLAY_BOTTOM "DDMMMYY" at 1989.09,319.62 h31 r270; DISPLAY_BOTTOM "ADI/JDB" at 2362.29,325.82 h31 r270; DISPLAY_BOTTOM "02AUG13" at 2312.29,325.82 h31 r270; DISPLAY_BOTTOM "QA/XXX" at 2037.79,320.32 h31 r270; DISPLAY_BOTTOM "QA/XXX" at 2124.69,325.82 h31 r270; DISPLAY_BOTTOM "DDMMMYY" at 2075.49,325.12 h31 r270
TP238: PIN_NUMBER "1" at 1090,-1020 h25; ASSEMBLY_BOTTOM "UPN" at 970,-1020 h25 r270; ASSEMBLY_BOTTOM "WP45" at 1085,-1020 h25 r270; PAD_STACK_NAME "C75D45" at 980,-1120 h50; PAD_STACK_NAME "TPC75D45" at 940,-920 h50; DISPLAY_BOTTOM "17DEC09" at 773.2,-1020 h31 r270; DISPLAY_BOTTOM "ADI/MAM" at 823.2,-1020 h31 r270; DISPLAY_BOTTOM "ADI/PMA" at 913.2,-1020 h31 r270; DISPLAY_BOTTOM "26APR99" at 1113.2,-1020 h31 r270; DISPLAY_BOTTOM "CEXI/BTC" at 1150.8,-1020 h31 r270; DISPLAY_BOTTOM "26APR99" at 863.2,-1020 h31 r270
TP239: PIN_NUMBER "1" at 990,-1020 h25; ASSEMBLY_BOTTOM "UPN" at 870,-1020 h25 r270; ASSEMBLY_BOTTOM "WP45" at 985,-1020 h25 r270; PAD_STACK_NAME "C75D45" at 880,-1120 h50; PAD_STACK_NAME "TPC75D45" at 840,-920 h50; DISPLAY_BOTTOM "17DEC09" at 673.2,-1020 h31 r270; DISPLAY_BOTTOM "ADI/MAM" at 723.2,-1020 h31 r270; DISPLAY_BOTTOM "ADI/PMA" at 813.2,-1020 h31 r270; DISPLAY_BOTTOM "26APR99" at 1013.2,-1020 h31 r270; DISPLAY_BOTTOM "CEXI/BTC" at 1050.8,-1020 h31 r270; DISPLAY_BOTTOM "26APR99" at 763.2,-1020 h31 r270
TP240: PIN_NUMBER "1" at 890,-1020 h25; ASSEMBLY_BOTTOM "UPN" at 770,-1020 h25 r270; ASSEMBLY_BOTTOM "WP45" at 885,-1020 h25 r270; PAD_STACK_NAME "C75D45" at 780,-1120 h50; PAD_STACK_NAME "TPC75D45" at 740,-920 h50; DISPLAY_BOTTOM "17DEC09" at 573.2,-1020 h31 r270; DISPLAY_BOTTOM "ADI/MAM" at 623.2,-1020 h31 r270; DISPLAY_BOTTOM "ADI/PMA" at 713.2,-1020 h31 r270; DISPLAY_BOTTOM "26APR99" at 913.2,-1020 h31 r270; DISPLAY_BOTTOM "CEXI/BTC" at 950.8,-1020 h31 r270; DISPLAY_BOTTOM "26APR99" at 663.2,-1020 h31 r270
TP241: PIN_NUMBER "1" at 1190,-1020 h25; ASSEMBLY_BOTTOM "UPN" at 1070,-1020 h25 r270; ASSEMBLY_BOTTOM "WP45" at 1185,-1020 h25 r270; PAD_STACK_NAME "C75D45" at 1080,-1120 h50; PAD_STACK_NAME "TPC75D45" at 1040,-920 h50; DISPLAY_BOTTOM "17DEC09" at 873.2,-1020 h31 r270; DISPLAY_BOTTOM "ADI/MAM" at 923.2,-1020 h31 r270; DISPLAY_BOTTOM "ADI/PMA" at 1013.2,-1020 h31 r270; DISPLAY_BOTTOM "26APR99" at 1213.2,-1020 h31 r270; DISPLAY_BOTTOM "CEXI/BTC" at 1250.8,-1020 h31 r270; DISPLAY_BOTTOM "26APR99" at 963.2,-1020 h31 r270
TP243: PIN_NUMBER "1" at 1290,-1020 h25; ASSEMBLY_BOTTOM "UPN" at 1170,-1020 h25 r270; ASSEMBLY_BOTTOM "WP45" at 1285,-1020 h25 r270; PAD_STACK_NAME "C75D45" at 1180,-1120 h50; PAD_STACK_NAME "TPC75D45" at 1140,-920 h50; DISPLAY_BOTTOM "17DEC09" at 973.2,-1020 h31 r270; DISPLAY_BOTTOM "ADI/MAM" at 1023.2,-1020 h31 r270; DISPLAY_BOTTOM "ADI/PMA" at 1113.2,-1020 h31 r270; DISPLAY_BOTTOM "26APR99" at 1313.2,-1020 h31 r270; DISPLAY_BOTTOM "CEXI/BTC" at 1350.8,-1020 h31 r270; DISPLAY_BOTTOM "26APR99" at 1063.2,-1020 h31 r270
TP244: PIN_NUMBER "1" at 1390,-1020 h25; ASSEMBLY_BOTTOM "UPN" at 1270,-1020 h25 r270; ASSEMBLY_BOTTOM "WP45" at 1385,-1020 h25 r270; PAD_STACK_NAME "C75D45" at 1280,-1120 h50; PAD_STACK_NAME "TPC75D45" at 1240,-920 h50; DISPLAY_BOTTOM "17DEC09" at 1073.2,-1020 h31 r270; DISPLAY_BOTTOM "ADI/MAM" at 1123.2,-1020 h31 r270; DISPLAY_BOTTOM "ADI/PMA" at 1213.2,-1020 h31 r270; DISPLAY_BOTTOM "26APR99" at 1413.2,-1020 h31 r270; DISPLAY_BOTTOM "CEXI/BTC" at 1450.8,-1020 h31 r270; DISPLAY_BOTTOM "26APR99" at 1163.2,-1020 h31 r270
TP245: PIN_NUMBER "1" at -715,162.5 h25; ASSEMBLY_BOTTOM "UPN" at -835,162.5 h25 r270; ASSEMBLY_BOTTOM "WP45" at -720,162.5 h25 r270; PAD_STACK_NAME "C75D45" at -825,62.5 h50; PAD_STACK_NAME "TPC75D45" at -865,262.5 h50; DISPLAY_BOTTOM "17DEC09" at -1031.8,162.5 h31 r270; DISPLAY_BOTTOM "ADI/MAM" at -981.8,162.5 h31 r270; DISPLAY_BOTTOM "ADI/PMA" at -891.8,162.5 h31 r270; DISPLAY_BOTTOM "26APR99" at -691.8,162.5 h31 r270; DISPLAY_BOTTOM "CEXI/BTC" at -654.2,162.5 h31 r270; DISPLAY_BOTTOM "26APR99" at -941.8,162.5 h31 r270
TP246: PIN_NUMBER "1" at -715,-30 h25; ASSEMBLY_BOTTOM "UPN" at -835,-30 h25 r270; ASSEMBLY_BOTTOM "WP45" at -720,-30 h25 r270; PAD_STACK_NAME "C75D45" at -825,-130 h50; PAD_STACK_NAME "TPC75D45" at -865,70 h50; DISPLAY_BOTTOM "17DEC09" at -1031.8,-30 h31 r270; DISPLAY_BOTTOM "ADI/MAM" at -981.8,-30 h31 r270; DISPLAY_BOTTOM "ADI/PMA" at -891.8,-30 h31 r270; DISPLAY_BOTTOM "26APR99" at -691.8,-30 h31 r270; DISPLAY_BOTTOM "CEXI/BTC" at -654.2,-30 h31 r270; DISPLAY_BOTTOM "26APR99" at -941.8,-30 h31 r270
TP247: PIN_NUMBER "1" at -715,67.5 h25; ASSEMBLY_BOTTOM "UPN" at -835,67.5 h25 r270; ASSEMBLY_BOTTOM "WP45" at -720,67.5 h25 r270; PAD_STACK_NAME "C75D45" at -825,-32.5 h50; PAD_STACK_NAME "TPC75D45" at -865,167.5 h50; DISPLAY_BOTTOM "17DEC09" at -1031.8,67.5 h31 r270; DISPLAY_BOTTOM "ADI/MAM" at -981.8,67.5 h31 r270; DISPLAY_BOTTOM "ADI/PMA" at -891.8,67.5 h31 r270; DISPLAY_BOTTOM "26APR99" at -691.8,67.5 h31 r270; DISPLAY_BOTTOM "CEXI/BTC" at -654.2,67.5 h31 r270; DISPLAY_BOTTOM "26APR99" at -941.8,67.5 h31 r270
U101: PIN_NUMBER "G6" at -35.75,15.75 h25 r270; PIN_NUMBER "G5" at -67.24,15.75 h25 r270; PIN_NUMBER "A4" at -98.74,-173.23 h25 r270; PIN_NUMBER "D1" at -193.23,-78.74 h25 r270; PIN_NUMBER "H1" at -193.23,47.24 h25 r270; PIN_NUMBER "C1" at -193.23,-110.24 h25 r270; PIN_NUMBER "L10" at 80.24,141.73 h25 r270; PIN_NUMBER "C8" at 27.24,-110.24 h25 r270; PIN_NUMBER "H6" at -35.75,47.24 h25 r270; PIN_NUMBER "K1" at -193.23,110.24 h25 r270; PIN_NUMBER "L3" at -130.24,141.73 h25 r270; PIN_NUMBER "F3" at -130.24,-15.75 h25 r270; PIN_NUMBER "C4" at -98.74,-110.24 h25 r270; PIN_NUMBER "C2" at -161.73,-110.24 h25 r270; PIN_NUMBER "B2" at -161.73,-141.73 h25 r270; PIN_NUMBER "B1" at -193.23,-141.73 h25 r270; PIN_NUMBER "F9" at 58.74,-15.75 h25 r270; PIN_NUMBER "A6" at -35.75,-173.23 h25 r270; PIN_NUMBER "C7" at -4.25,-110.24 h25 r270; PIN_NUMBER "E1" at -193.23,-47.24 h25 r270; PIN_NUMBER "F1" at -193.23,-15.75 h25 r270; PIN_NUMBER "J2" at -161.73,78.74 h25 r270; PIN_NUMBER "J1" at -193.23,78.74 h25 r270; PIN_NUMBER "L9" at 58.74,141.73 h25 r270; PIN_NUMBER "L8" at 27.24,141.73 h25 r270; PIN_NUMBER "L12" at 143.23,141.73 h25 r270; PIN_NUMBER "H7" at -4.25,47.24 h25 r270; PIN_NUMBER "L11" at 111.73,141.73 h25 r270; PIN_NUMBER "M6" at -35.75,173.23 h25 r270; PIN_NUMBER "H2" at -161.73,47.24 h25 r270; PIN_NUMBER "K2" at -161.73,110.24 h25 r270; PIN_NUMBER "L2" at -161.73,141.73 h25 r270; PIN_NUMBER "M4" at -98.74,173.23 h25 r270; PIN_NUMBER "C9" at 58.74,-110.24 h25 r270; PIN_NUMBER "C10" at 80.24,-110.24 h25 r270; PIN_NUMBER "C11" at 111.73,-110.24 h25 r270; PIN_NUMBER "D12" at 143.23,-78.74 h25 r270; PIN_NUMBER "B12" at 143.23,-141.73 h25 r270; PIN_NUMBER "C12" at 143.23,-110.24 h25 r270; PIN_NUMBER "G12" at 143.23,15.75 h25 r270; PIN_NUMBER "F7" at -4.25,-15.75 h25 r270; PIN_NUMBER "K12" at 143.23,110.24 h25 r270; PIN_NUMBER "H10" at 80.24,47.24 h25 r270; PIN_NUMBER "L7" at -4.25,141.73 h25 r270; PIN_NUMBER "H3" at -130.24,47.24 h25 r270; PIN_NUMBER "L1" at -193.23,141.73 h25 r270; PIN_NUMBER "F11" at 111.73,-15.75 h25 r270; PIN_NUMBER "J5" at -67.24,78.74 h25 r270; PIN_NUMBER "J4" at -98.74,78.74 h25 r270; PIN_NUMBER "L6" at -35.75,141.73 h25 r270; PIN_NUMBER "K6" at -35.75,110.24 h25 r270; PIN_NUMBER "H4" at -98.74,47.24 h25 r270; PIN_NUMBER "H12" at 143.23,47.24 h25 r270; PIN_NUMBER "M12" at 143.23,173.23 h25 r270; PIN_NUMBER "H5" at -67.24,47.24 h25 r270; PIN_NUMBER "J6" at -35.75,78.74 h25 r270; PIN_NUMBER "C5" at -67.24,-110.24 h25 r270; PIN_NUMBER "C6" at -35.75,-110.24 h25 r270; PIN_NUMBER "D6" at -35.75,-78.74 h25 r270; PIN_NUMBER "D5" at -67.24,-78.74 h25 r270; PIN_NUMBER "D4" at -98.74,-78.74 h25 r270; PIN_NUMBER "E4" at -98.74,-47.24 h25 r270; PIN_NUMBER "E5" at -67.24,-47.24 h25 r270; PIN_NUMBER "E6" at -35.75,-47.24 h25 r270; PIN_NUMBER "F6" at -35.75,-15.75 h25 r270; PIN_NUMBER "F5" at -67.24,-15.75 h25 r270; PIN_NUMBER "F4" at -98.74,-15.75 h25 r270; PIN_NUMBER "G4" at -98.74,15.75 h25 r270; PIN_NUMBER "G11" at 111.73,15.75 h25 r270; PIN_NUMBER "F10" at 80.24,-15.75 h25 r270; PIN_NUMBER "B7" at -4.25,-141.73 h25 r270; PIN_NUMBER "B6" at -35.75,-141.73 h25 r270; PIN_NUMBER "B5" at -67.24,-141.73 h25 r270; PIN_NUMBER "B4" at -98.74,-141.73 h25 r270; PIN_NUMBER "M2" at -161.73,173.23 h25 r270; PIN_NUMBER "M1" at -193.23,173.23 h25 r270; PIN_NUMBER "A1" at -193.23,-173.23 h25 r270; PIN_NUMBER "A2" at -161.73,-173.23 h25 r270; PIN_NUMBER "G8" at 27.24,15.75 h25 r270; PIN_NUMBER "M8" at 27.24,173.23 h25 r270; PIN_NUMBER "M7" at -4.25,173.23 h25 r270; PIN_NUMBER "A7" at -4.25,-173.23 h25 r270; PIN_NUMBER "A8" at 27.24,-173.23 h25 r270; PIN_NUMBER "G9" at 58.74,15.75 h25 r270; PIN_NUMBER "A3" at -130.24,-173.23 h25 r270; PIN_NUMBER "M3" at -130.24,173.23 h25 r270; PIN_NUMBER "L5" at -67.24,141.73 h25 r270; PIN_NUMBER "B3" at -130.24,-141.73 h25 r270; PIN_NUMBER "C3" at -130.24,-110.24 h25 r270; PIN_NUMBER "H11" at 111.73,47.24 h25 r270; PIN_NUMBER "G10" at 80.24,15.75 h25 r270; PIN_NUMBER "K11" at 111.73,110.24 h25 r270; PIN_NUMBER "J12" at 143.23,78.74 h25 r270; PIN_NUMBER "K10" at 80.24,110.24 h25 r270; PIN_NUMBER "J11" at 111.73,78.74 h25 r270; PIN_NUMBER "K9" at 58.74,110.24 h25 r270; PIN_NUMBER "J10" at 80.24,78.74 h25 r270; PIN_NUMBER "K8" at 27.24,110.24 h25 r270; PIN_NUMBER "J9" at 58.74,78.74 h25 r270; PIN_NUMBER "K7" at -4.25,110.24 h25 r270; PIN_NUMBER "J8" at 27.24,78.74 h25 r270; PIN_NUMBER "J7" at -4.25,78.74 h25 r270; PIN_NUMBER "H8" at 27.24,47.24 h25 r270; PIN_NUMBER "G1" at -193.23,15.75 h25 r270; PIN_NUMBER "G7" at -4.25,15.75 h25 r270; PIN_NUMBER "E12" at 143.23,-47.24 h25 r270; PIN_NUMBER "D11" at 111.73,-78.74 h25 r270; PIN_NUMBER "E11" at 111.73,-47.24 h25 r270; PIN_NUMBER "D10" at 80.24,-78.74 h25 r270; PIN_NUMBER "E10" at 80.24,-47.24 h25 r270; PIN_NUMBER "D9" at 58.74,-78.74 h25 r270; PIN_NUMBER "E9" at 58.74,-47.24 h25 r270; PIN_NUMBER "D8" at 27.24,-78.74 h25 r270; PIN_NUMBER "E8" at 27.24,-47.24 h25 r270; PIN_NUMBER "D7" at -4.25,-78.74 h25 r270; PIN_NUMBER "F8" at 27.24,-15.75 h25 r270; PIN_NUMBER "E7" at -4.25,-47.24 h25 r270; PIN_NUMBER "A12" at 143.23,-173.23 h25 r270; PIN_NUMBER "H9" at 58.74,47.24 h25 r270; PIN_NUMBER "M5" at -67.24,173.23 h25 r270; PIN_NUMBER "A5" at -67.24,-173.23 h25 r270; PIN_NUMBER "B11" at 111.73,-141.73 h25 r270; PIN_NUMBER "A11" at 111.73,-173.23 h25 r270; PIN_NUMBER "L4" at -98.74,141.73 h25 r270; PIN_NUMBER "G3" at -130.24,15.75 h25 r270; PIN_NUMBER "G2" at -161.73,15.75 h25 r270; PIN_NUMBER "B8" at 27.24,-141.73 h25 r270; PIN_NUMBER "M11" at 111.73,173.23 h25 r270; PIN_NUMBER "B10" at 80.24,-141.73 h25 r270; PIN_NUMBER "B9" at 58.74,-141.73 h25 r270; PIN_NUMBER "J3" at -130.24,78.74 h25 r270; PIN_NUMBER "K3" at -130.24,110.24 h25 r270; PIN_NUMBER "F2" at -161.73,-15.75 h25 r270; PIN_NUMBER "E2" at -161.73,-47.24 h25 r270; PIN_NUMBER "K4" at -98.74,110.24 h25 r270; PIN_NUMBER "E3" at -130.24,-47.24 h25 r270; PIN_NUMBER "D3" at -130.24,-78.74 h25 r270; PIN_NUMBER "D2" at -161.73,-78.74 h25 r270; PIN_NUMBER "A10" at 80.24,-173.23 h25 r270; PIN_NUMBER "A9" at 58.74,-173.23 h25 r270; PIN_NUMBER "M10" at 80.24,173.23 h25 r270; PIN_NUMBER "M9" at 58.74,173.23 h25 r270; PIN_NUMBER "F12" at 143.23,-15.75 h25 r270; PIN_NUMBER "K5" at -67.24,110.24 h25 r270; ASSEMBLY_BOTTOM "UPN" at -230,0 h25 r270; ASSEMBLY_BOTTOM "AD9361BBCZ" at -50,0 h25 r270; PAD_STACK_NAME "VIA1206" at -675.43,-15.75 h50 r270; PAD_STACK_NAME "C14" at -520.63,-15.75 h50 r270; PAD_STACK_NAME "BGA144" at 372.13,0 h50 r270; Bottom Overlay "12" at 174.55,-289.54 h25 r270; Bottom Overlay "11" at 142.91,-291.12 h25 r270; Bottom Overlay "10" at 108.09,-292.7 h25 r270; Bottom Overlay "9" at 74.87,-272.23 h25 r270; Bottom Overlay "8" at 40.06,-273.81 h25 r270; Bottom Overlay "7" at 9.99,-273.81 h25 r270; Bottom Overlay "6" at -46.97,-270.65 h25 r270; Bottom Overlay "5" at -75.45,-269.06 h25 r270; Bottom Overlay "4" at -105.52,-272.23 h25 r270; Bottom Overlay "3" at -140.33,-272.23 h25 r270; Bottom Overlay "2" at -170.39,-272.23 h25 r270; Bottom Overlay "1" at -202.04,-273.81 h25 r270; Bottom Overlay "M" at -254.5,195.72 h25 r270; Bottom Overlay "L" at -257.67,165.66 h25 r270; Bottom Overlay "K" at -254.5,129.27 h25 r270; Bottom Overlay "J" at -259.25,96.04 h25 r270; Bottom Overlay "H" at -256.09,62.81 h25 r270; Bottom Overlay "G" at -257.67,24.83 h25 r270; Bottom Overlay "F" at -256.09,-21.05 h25 r270; Bottom Overlay "E" at -257.67,-54.28 h25 r270; Bottom Overlay "D" at -257.67,-85.93 h25 r270; Bottom Overlay "C" at -259.25,-119.15 h25 r270; Bottom Overlay "B" at -256.09,-155.55 h25 r270; Bottom Overlay "A" at -256.09,-191.94 h25 r270; DISPLAY_BOTTOM "22JUN09" at -97.16,597.18 h30.98 r180; DISPLAY_BOTTOM "QA/JMTG" at -96.58,550.68 h30.98 r180; DISPLAY_BOTTOM "18JUL08" at -97.16,483.5 h30.98 r180; DISPLAY_BOTTOM "QA/MER" at -84.19,442.91 h30.98 r180; DISPLAY_BOTTOM "ADI/LCL" at -74.43,-474.22 h30.98 r180; DISPLAY_BOTTOM "16JUL08" at -76.9,-433.07 h30.98 r180; NOTES "AT THE DISCRETION OF THE DESIGNER" at -1005.24,-13.83 h25 r270; NOTES "VIA SIZE AND LINE WIDTH CAN BE INCREASED / DECREASED" at -1152.61,8.91 h25 r270; NOTES "USED A .010\" LINE WIDTH AND VIA1206 FOR FANOUTS" at -1059.07,19.69 h25 r270
U201: PIN_NUMBER "3" at 1746.13,994.36 h25 r90; PIN_NUMBER "4" at 1771.72,994.36 h25 r90; PIN_NUMBER "7" at 1720.54,1226.64 h25 r90; PIN_NUMBER "8" at 1694.95,1226.64 h25 r90; PIN_NUMBER "2" at 1720.54,994.36 h25 r90; PIN_NUMBER "1" at 1694.95,994.36 h25 r90; PIN_NUMBER "6" at 1746.13,1226.64 h25 r90; PIN_NUMBER "5" at 1771.72,1226.64 h25 r90; PAD_STACK_NAME "65X13" at 1645,888.98 h50; PAD_STACK_NAME "TSSOP8" at 1625,1331.9 h50; DISPLAY_TOP "28SEP10" at 1914.6,1102.5 h31 r90; DISPLAY_TOP "QA/RGS" at 1887.63,1102.5 h31 r90; DISPLAY_TOP "14JUN02" at 1816.17,1102.5 h31 r90; DISPLAY_TOP "QA/PMA" at 1789.2,1102.5 h31 r90; DISPLAY_TOP "ADI/RRH" at 1530.74,1102.5 h31 r90; DISPLAY_TOP "14JUN02" at 1570.11,1102.5 h31 r90; ASSEMBLY_TOP "UPN" at 1782.39,1102.5 h25 r90; ASSEMBLY_TOP "M24C02-WDW6TP" at 1603.65,1102.5 h25 r90
U202: PIN_NUMBER "12" at 1250.52,-636.5 h25 r90; PIN_NUMBER "4" at 1270.52,-806.5 h25 r90; PIN_NUMBER "6" at 1330,-782.7 h25; PIN_NUMBER "9" at 1330,-723.65 h25; PIN_NUMBER "PAD" at 1232.5,-743.33 h25; PIN_NUMBER "5" at 1290.2,-806.5 h25 r90; PIN_NUMBER "16" at 1163,-703.96 h25; PIN_NUMBER "17" at 1163,-723.65 h25; PIN_NUMBER "10" at 1321,-703.96 h25; PIN_NUMBER "11" at 1270.2,-636.5 h25 r90; PIN_NUMBER "13" at 1230.83,-636.5 h25 r90; PIN_NUMBER "15" at 1191.46,-636.5 h25 r90; PIN_NUMBER "14" at 1211.15,-636.5 h25 r90; PIN_NUMBER "8" at 1330,-743.33 h25; PIN_NUMBER "18" at 1163,-743.33 h25; PIN_NUMBER "19" at 1163,-763.02 h25; PIN_NUMBER "20" at 1163,-782.7 h25; PIN_NUMBER "1" at 1211.46,-806.5 h25 r90; PIN_NUMBER "2" at 1231.15,-806.5 h25 r90; PIN_NUMBER "3" at 1250.83,-806.5 h25 r90; PIN_NUMBER "7" at 1330,-763.02 h25; PAD_STACK_NAME "QFN20_4X4_PAD2_6X2_6" at 862.5,-525.29 h50; PAD_STACK_NAME "OB12X41_SM1X2" at 1002.5,-997.73 h50; PAD_STACK_NAME "102X102_SM2X2" at 1002.5,-928.83 h50; DISPLAY_TOP "14DEC11" at 1540.37,-735 h31 r90; DISPLAY_TOP "QA/RGS" at 1513.4,-735 h31 r90; DISPLAY_TOP "24SEP09" at 1461.63,-735 h31 r90; DISPLAY_TOP "0A/REP" at 1434.66,-735 h31 r90; DISPLAY_TOP "ADI/REP" at 999.03,-735 h31 r90; DISPLAY_TOP "13MAY09" at 1038.4,-735 h31 r90; DISPLAY_TOP "QA/RGS" at 1355.91,-735 h31 r90; DISPLAY_TOP "14MAY09" at 1382.89,-735 h31 r90; ASSEMBLY_TOP "AD7291BCPZ" at 1151.15,-735 h25 r90; ASSEMBLY_TOP "UPN" at 1299.89,-735 h25 r90; NOTES "IS TO BE DETERMINED BY THE RESPONSIBLE ENGINEER AND THE LAYOUT PERSON." at 562.5,-1205.93 h25; NOTES "THE SIZE OF THE VIA BUMPS,QUANTITY AND THE LOCATION ON THE PADDLE PAD" at 572.5,-1166.56 h25; NOTES "TO CONVERT THIS NON-BUMPED FOOTPRINT SYMBOL TO A BUMPED VERSION;" at 622.5,-1048.45 h25; NOTES "REPLACE 102X102_SM2X2.PAD WITH 102X102_SM2X2_BUMP.PAD" at 732.5,-1127.19 h25; NOTES "REPLACE OB12X41_SM1X2.PAD WITH OB12X41_SM1X2_BUMP.PAD" at 732.5,-1087.82 h25
U301: PIN_NUMBER "2" at 1399.46,1072.22 h25 r270; PIN_NUMBER "5" at 1309.28,1049.22 h25 r180; PIN_NUMBER "6" at 1309.28,1023.63 h25 r180; PIN_NUMBER "7" at 1309.28,998.04 h25 r180; PIN_NUMBER "8" at 1309.28,972.45 h25 r180; PIN_NUMBER "PAD" at 1325,1010.83 h25 r180; PIN_NUMBER "15" at 1472.72,1023.63 h25 r180; PIN_NUMBER "16" at 1472.72,1049.22 h25 r180; PIN_NUMBER "4" at 1348.28,1072.22 h25 r270; PIN_NUMBER "9" at 1348.28,916.78 h25 r270; PIN_NUMBER "10" at 1353.87,905.78 h25 r270; PIN_NUMBER "11" at 1379.46,905.78 h25 r270; PIN_NUMBER "1" at 1425.05,1072.22 h25 r270; PIN_NUMBER "3" at 1373.87,1072.22 h25 r270; PIN_NUMBER "14" at 1472.72,998.04 h25 r180; PIN_NUMBER "13" at 1472.72,972.45 h25 r180; PIN_NUMBER "12" at 1405.05,905.78 h25 r270; PAD_STACK_NAME "QFN16_4X4_PAD2_5X2_5" at 1015,792.79 h50 r180; PAD_STACK_NAME "98X98_SM2X2" at 1195,1275.07 h50 r180; PAD_STACK_NAME "OB14X39_SM2X2" at 1155,1196.33 h50 r180; DISPLAY_TOP "25NOV11" at 973.38,1002.5 h31 r270; DISPLAY_TOP "QA/RGS" at 1025.15,1002.5 h31 r270; DISPLAY_TOP "24SEP09" at 1052.12,1002.5 h31 r270; DISPLAY_TOP "QA/REP" at 1103.89,1002.5 h31 r270; DISPLAY_TOP "31MAR08" at 1130.86,1002.5 h31 r270; DISPLAY_TOP "QA/EMY" at 1182.63,1002.5 h31 r270; DISPLAY_TOP "28MAR08" at 1455.66,1002.5 h31 r270; DISPLAY_TOP "ADI/GMC" at 1495.03,1002.5 h31 r270; ASSEMBLY_TOP "UPN" at 1312.69,1002.5 h25 r270; ASSEMBLY_TOP "ADP2164ACPZ" at 1309.46,1002.5 h25 r270; NOTES "IS TO BE DETERMINED BY THE RESPONSIBLE ENGINEER AND THE LAYOUT PERSON." at 715,1483.28 h25 r180; NOTES "THE SIZE OF THE VIA BUMPS,QUANTITY AND THE LOCATION ON THE PADDLE PAD" at 725,1443.91 h25 r180; NOTES "TO CONVERT THIS NON-BUMPED FOOTPRINT SYMBOL TO A BUMPED VERSION;" at 775,1325.8 h25 r180; NOTES "REPLACE 98X98_SM2X2.PAD WITH 98X98_SM2X2_BUMP.PAD" at 925,1404.54 h25 r180; NOTES "REPLACE OB14X39_SM2X2.PAD WITH OB14X39_SM2X2_BUMP.PAD" at 885,1365.17 h25 r180
U302: PIN_NUMBER "8" at 909.95,1210.3 h25 r90; PIN_NUMBER "6" at 961.13,1210.3 h25 r90; PIN_NUMBER "PAD" at 908.33,1157.5 h25 r90; PIN_NUMBER "5" at 986.72,1210.3 h25 r90; PIN_NUMBER "9" at 873.53,1173.89 h25 r90; PIN_NUMBER "7" at 935.54,1210.3 h25 r90; PIN_NUMBER "3" at 1023.14,1148.3 h25 r90; PIN_NUMBER "15" at 961.13,1052.7 h25 r90; PIN_NUMBER "1" at 1023.14,1097.11 h25 r90; PIN_NUMBER "2" at 1023.14,1122.7 h25 r90; PIN_NUMBER "16" at 986.72,1052.7 h25 r90; PIN_NUMBER "4" at 1023.14,1173.89 h25 r90; PIN_NUMBER "11" at 853.53,1133.7 h25 r90; PIN_NUMBER "12" at 853.53,1108.11 h25 r90; PIN_NUMBER "10" at 853.53,1159.3 h25 r90; PIN_NUMBER "13" at 909.95,1052.7 h25 r90; PIN_NUMBER "14" at 935.54,1052.7 h25 r90; PAD_STACK_NAME "QFN16_4X4_PAD2_1X2_1" at 350.29,1127.5 h50 r90; PAD_STACK_NAME "83X83_SM2X2" at 1012.57,1127.5 h50 r90; PAD_STACK_NAME "OB14X41_SM2X2" at 893.83,1127.5 h50 r90; DISPLAY_TOP "16NOV11" at 873.2,1482.32 h31 r180; DISPLAY_TOP "QA/RGS" at 885.6,1442.95 h31 r180; DISPLAY_TOP "24SEP09" at 873.2,1403.58 h31 r180; DISPLAY_TOP "QA/REP" at 885.6,1364.21 h31 r180; DISPLAY_TOP "06FEB08" at 873.2,1324.84 h31 r180; DISPLAY_TOP "QA/SSD" at 885.6,1285.47 h31 r180; DISPLAY_TOP "05FEB08" at 873.2,1000.04 h31 r180; DISPLAY_TOP "ADI/GMC" at 873.2,960.67 h31 r180; ASSEMBLY_TOP "UPN" at 930,1194.89 h25 r180; ASSEMBLY_TOP "ADP1755ACPZ" at 850,1116.15 h25 r180; NOTES "IS TO BE DETERMINED BY THE RESPONSIBLE ENGINEER AND THE LAYOUT PERSON." at 740.78,1127.5 h25 r90; NOTES "THE SIZE OF THE VIA BUMPS,QUANTITY AND THE LOCATION ON THE PADDLE PAD" at 711.41,1127.5 h25 r90; NOTES "TO CONVERT THIS NON-BUMPED FOOTPRINT SYMBOL TO A BUMPED VERSION;" at 643.3,1127.5 h25 r90; NOTES "REPLACE 83X83_SM2X2.PAD WITH 83X83_SM2X2_BUMP.PAD" at 872.04,1127.5 h25 r90; NOTES "REPLACE OB14X41_SM2X2.PAD WITH OB14X41_SM2X2_BUMP.PAD" at 792.67,1127.5 h25 r90